# Altium PCB Power Distribution Board.PcbDoc (part 2 of 3) (continued)
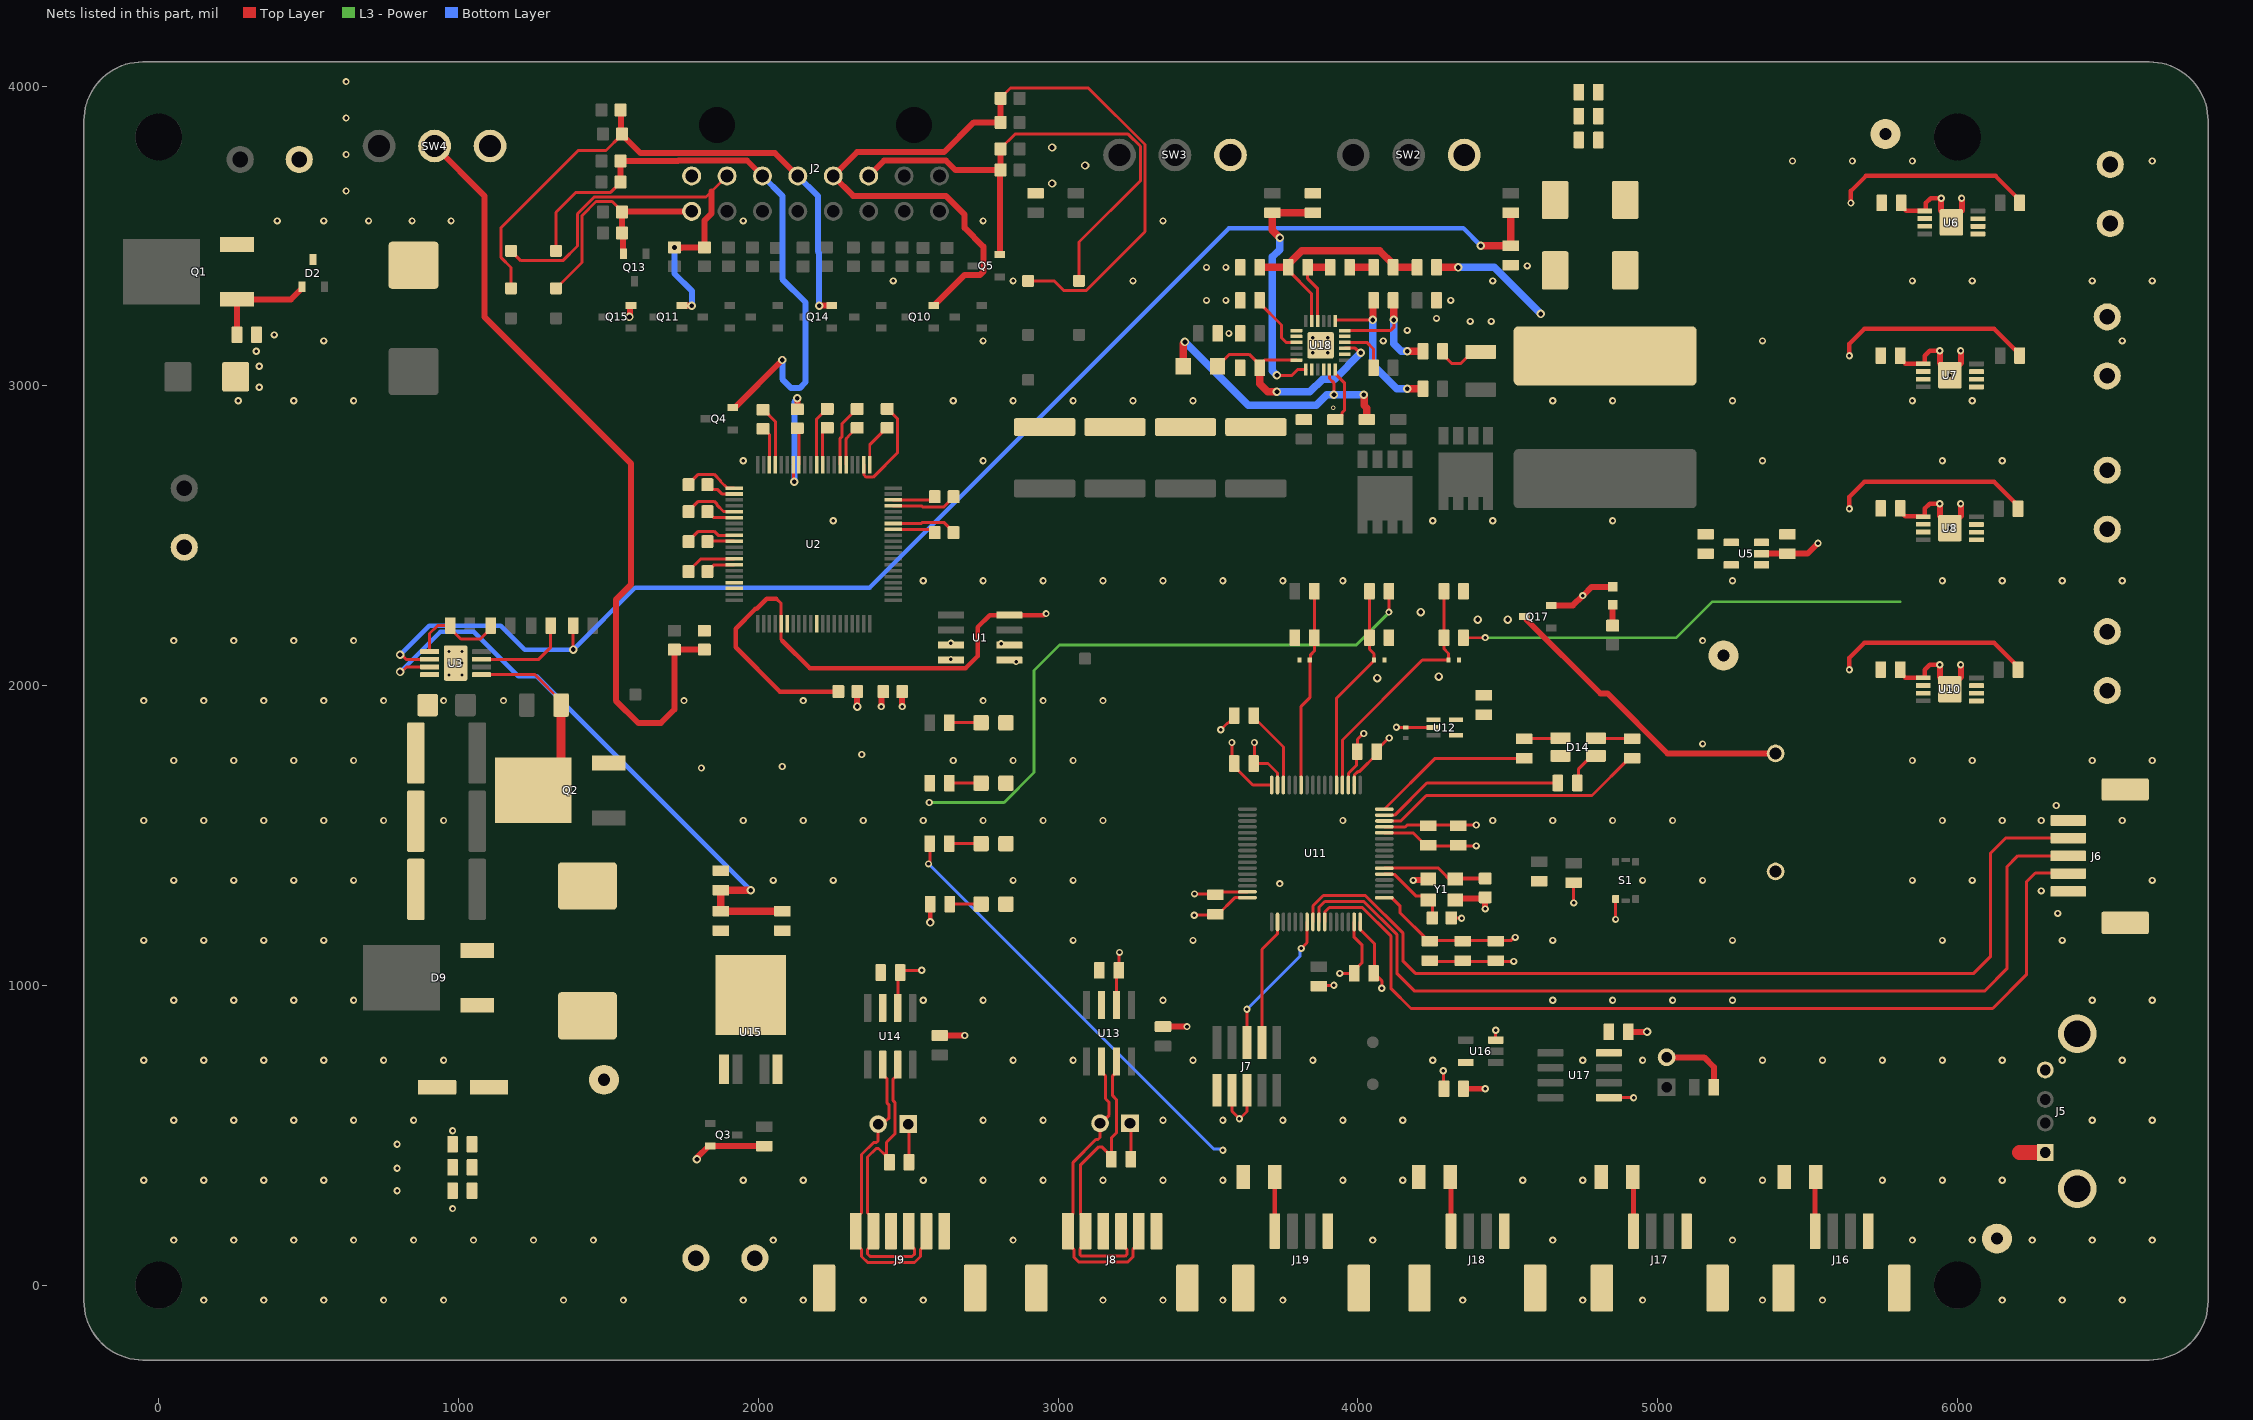
[diagram p4: the nets of this part, all layers, seen from the top]
## Nets (pads, with @x,y where several pads share a name; then routed paths per layer and width w, separated by ;. In a path a pad name is that pad's centre, name@x,y a point inside that pad or via, vN(x,y) a via of type N, cw(c..) or ccw(c..) an arc to the next point about the centre after c; other vN are vias at no path point) (continued)
  other v1: 3550,350 3950,350 4150,350 4550,350 4750,350 5150,350 5350,350 5750,350 5950,350 6150,350 4750,750 4950,750 5350,750 5550,750 5750,750 5950,750 6150,750 5950,1150 5850,1350 6050,1350 5950,1550 6150,1550 5850,1750 6050,1750 5950,2350 6150,2350 5950,2750 6150,2750 5850,2950 6050,2950 5850,3350 6050,3350 5450,3750 5650,3750 5850,3750
5V_FB: C70.1 R96.1 R104.1 R105.2 U18.8 | length 793.9
  Top Layer w10: C70.1@3767.52,3395 3767.52,3385.16 3846.18,3306.5 U18.8@3846.18,3215.87
  Top Layer w25: R105.2@3672.48,3395 C70.1@3767.52,3395 3767.52,3404.84 3812.68,3450 4072.32,3450 4117.48,3404.84 R96.1@4117.48,3395 R104.1@4197.52,3395
5V_LOAD1: J10.1 U6.5 U6.6 U6.7
5V_LOAD2: J11.1 U7.5 U7.6 U7.7
5V_LOAD3: J12.1 U8.5 U8.6 U8.7
5V_LOAD4: J14.1 U10.5 U10.6 U10.7
5V_RT: R97.2 U18.4 | length 211.3
  Top Layer w10: R97.2@3672.48,3285 3672.48,3275.16 3745,3202.64 3745,3160 3760,3145 U18.4@3795,3145
5V_VCC: C75.2 D21.2 U18.1 U18.16 | length 826.9
  Top Layer w10: D21.2@3532.09,3065 3532.09,3066.97 3552.68,3087.56 3554.65,3087.56 3572.09,3105 3637.32,3105 C75.2@3672.48,3069.84 ; C75.2@3672.48,3060 C75.2@3672.48,3069.84 ; U18.1@3795,3085.94 3688.58,3085.94 C75.2@3672.48,3069.84 ; U18.16@3956.42,3125.32 3991.1,3125.32 4006.42,3110 v2(4010,3110)
  Top Layer w25: C75.2@3672.48,3060 3672.48,3007.52 3699.43,2980.57 3729.43,2980.57 v2(3730,2980)
  Bottom Layer w25: v2(3730,2980) 3840,2980 3882.5,3022.5 3922.5,3022.5 v2(4010,3110)
17V: 17V.1 C28.1 C34.2 C36.2 C37.2 C38.2 L2.2 R16.2 R17.2 R84.2 U15.3 | length 2066.3
  Top Layer w10: v1(4103.72,2245) R84.2@4103.72,2315
  L3 - Power w10: v1(2570,1610) 2820,1610 2920,1710 2920,2050 3005,2135 3995,2135 v1@4104.36,2244.36
17V_FB: C34.1 R17.1 R19.2 U3.3 | length 2063.3
  Top Layer w10: v2(805,2045.53) 809.87,2045.53 826.55,2062.2 U3.3@903.39,2062.2
  Top Layer w25: v2(1975,1317.52) R19.2@1875,1317.52 R17.1@1875,1247.48 C34.1@2080,1247.48
  Bottom Layer w15: v2(805,2045.53) 939.47,2180 1050.18,2180 1198.68,2031.5 1261.02,2031.5 v2(1975,1317.52)
17V_LOAD: J13.1 U15.1 U15.5
17V_VCC: C33.1 U3.7 | length 319.8
  Top Layer w10: U3.7@1076.61,2087.8 1267.8,2087.8 1307.48,2127.48 C33.1@1307.48,2200
ADJ: C27.1 R15.1 U3.1 | length 324
  Top Layer w10: U3.1@903.39,2113.39 903.39,2173.39 930,2200 R15.1@972.52,2200 972.52,2190.16 1007.68,2155 1072.36,2155 1107.52,2190.16 C27.1@1107.52,2200
CANA_N: H1.2 J8.1 J8.5 U13.6 | length 1039.4
  Top Layer w10: U13.6@3145,745.51 3145,711.06 3158,698.06 3158,621.76 3170.47,609.28 3170.47,566.8 3143.67,540 H1.2@3140,540 3140,492.48 3132.97,485.45 3126.03,485.45 3050.36,409.79 3050.36,238.87 3032.83,221.34 3032.83,138.66 3052.36,119.13 3052.36,93.88 3069.94,76.31 3231.95,76.31 3249.53,93.88 3249.53,119.13 3269.06,138.66 J8.5@3269.06,180
CANA_P: J8.2 J8.4 R72.2 U13.7 | length 1045.8
  Top Layer w10: R72.2@3177.52,420 R72.2@3177.52,429.84 ; U13.7@3195,745.51 3195,711.06 3182,698.06 3182,631.7 3194.47,619.22 3194.47,507.69 3177.52,490.73 R72.2@3177.52,429.84 ; J8.4@3210,180 3210,138.66 3229.53,119.13 3229.53,102.16 3223.67,96.31 3078.22,96.31 3072.36,102.16 3072.36,119.13 3091.89,138.66 3091.89,221.34 3074.36,238.87 3074.36,399.85 3135.97,461.45 3145.91,461.45 R72.2@3177.52,429.84
CANB_N: H2.2 J9.1 J9.5 U14.6 | length 1024.7
  Top Layer w10: U14.6@2415,735.51 2415,701.06 2422.3,693.76 2424.14,693.76 2430,687.9 2430,606.9 2435.23,601.67 2435.23,556.3 2429.37,550.45 2426.39,550.45 2413.03,537.09 H2.2@2399.76,537.09 2399.76,481.9 2393.9,476.05 2384.75,476.05 2344.25,435.55 2344.25,240.87 2324.72,221.34 J9.1@2324.72,180 2324.72,138.66 2344.25,119.13 2344.25,95.69 2364.94,75 2520.73,75 2541.42,95.69 2541.42,119.13 2560.94,138.66 J9.5@2560.94,180
CANB_P: J9.2 J9.4 R74.2 U14.7 | length 1024.8
  Top Layer w10: R74.2@2437.52,410 2427.46,420.06 R74.2@2427.46,429.9 ; U14.7@2465,735.51 2465,701.06 2457.7,693.76 2455.86,693.76 2450,687.9 2450,615.18 2455.23,609.95 2455.23,504.17 2427.46,476.41 R74.2@2427.46,429.9 ; J9.4@2501.89,180 2501.89,138.66 2521.42,119.13 2521.42,103.98 2512.44,95 2373.23,95 2364.25,103.98 2364.25,119.13 2383.78,138.66 J9.2@2383.78,180 2383.78,221.34 2364.25,240.87 2364.25,427.27 2393.03,456.05 2401.32,456.05 R74.2@2427.46,429.9
COMP: C70.2 C71.2 U18.9 | length 268
  Top Layer w10: C70.2@3832.48,3395 3832.48,3357.52 3865.87,3324.13 U18.9@3865.87,3215.87
  Top Layer w25: C70.2@3832.48,3395 C71.2@3907.52,3395
CS: C74.2 R100.1 U18.12 | length 545.4
  Top Layer w10: U18.12@3924.92,3215.87 3924.92,3219.09 3925.83,3220 v2(4050,3220)
  Top Layer w25: v2(4050,3220) 4050.57,3220.57 4050.57,3283.05 C74.2@4052.52,3285 ; v2(4165,2990) R100.1@4217.52,2990
  Bottom Layer w25: v2(4050,3220) 4050,3070 4130,2990 v2(4165,2990)
CSG: C74.1 R101.1 U18.13 | length 446.9
  Top Layer w10: U18.13@3956.42,3184.37 4109.37,3184.37 4120,3195 v2(4120,3220)
  Top Layer w25: C74.1@4117.48,3285 4119.43,3283.05 4119.43,3220.57 v2(4120,3220) ; v2(4165,3115) R101.1@4217.52,3115
  Bottom Layer w25: v2(4120,3220) 4120,3140 4144.43,3115.57 4164.43,3115.57 v2(4165,3115)
EN_5V: C44.2 R23.2 U18.24 | length 809.6
  Top Layer w10: v2(3730,3035) 3780,3035 3800,3055 3825.94,3055 U18.24@3826.5,3054.45
  Top Layer w25: v2(3740.12,3493.75) 3740.12,3494.57 3715,3519.69 R23.2@3715,3577.52 C44.2@3850,3577.52
  Bottom Layer w25: v2(3730,3035) 3730,3035.81 3715,3050.81 3715,3429.75 3739.55,3454.31 3739.55,3493.18 v2(3740.12,3493.75)
EN_17V: C35.2 R18.1 R21.2 U3.2 | length 4679
  Top Layer w10: v2(805,2102.8) 809.87,2102.8 824.87,2087.8 U3.2@903.39,2087.8 ; v2(1382.52,2120) R18.1@1382.52,2200
  Top Layer w25: v2(4410,3467.48) C35.2@4510,3467.48 R21.2@4510,3577.52
  Bottom Layer w15: v2(805,2102.8) 902.2,2200 1140.33,2200 1220.33,2120 v2(1382.52,2120) 1589.52,2327 2371.75,2327 3570,3525.25 4352.23,3525.25 v2(4410,3467.48)
GND: C1.1 C1.2 C7.2 C12.1 C28.2 C29.1 C30.1 C31.1 C32.1 C35.1 C36.1 C37.1 C38.1 C39.1 C40.1 C41.1 C42.1 C44.1 C45.1 C46.1 C47.1 C48.1 C49.1 C50.1 C51.1 C52.1 C53.1 C54.1 C55.1 C56.1 C57.1 C58.1 C59.1 C60.1 C61.1 C62.1 C63.1 C64.1 C65.1 C66.1 C67.1 C68.1 C69.1 C72.1 C73.1 C75.1 C77.1 C78.2 C79.2 C80.1 C81.1 C82.1 D1.1 D3.2 D9.1 D10.2 D11.2 D13.2 D15.2 D16.2 D17.2 D19.2 D20.2 GND.1 J1.1 J2.1 J5.4 J5.S1 J5.S2 J6.0 J6.1 J6.5 J7.3 J7.5 J8.0 J8.3 J8.6 J9.0 J9.3 J9.6 J10.2 J11.2 J12.2 J13.2 J14.2 J15.2 J16.0 J16.4 J17.0 J17.4 J18.0 J18.4 J19.0 J19.4 Q3.2 Q15.2 Q17.2 R1.1 R19.1 R70.2 R73.2 R75.2 R77.1 R88.1 R89.1 R91.1 R95.1 R97.1 R101.2 R102.1 R105.1 S1.1 SW2.1 SW3.1 SW4.1 U1.3 U1.4 U1.5 U1.6 U2.6 U2.11 U2.77 U2.78 U3.4 U3.9 U5.2 U6.1 U6.9 U7.1 U7.9 U8.1 U8.9 U10.1 U10.9 U11.12 U11.18 U11.31 U11.47 U11.63 U12.2 U13.2 U14.2 U16.3 U17.5 U18.5 U18.6 U18.14 U18.17 U18.21 U18.23 U18.25 Y1.2 Y1.4 | length 5553.3
  Top Layer w10: U14.2@2465,924.49 2465.78,925.26 2465.78,1035.54 2480.24,1050 v1(2545,1050) ; R75.2@2605,832.48 R75.2@2606.24,831.24 ; U13.2@3195,934.49 3195,1039.76 3205.24,1050 3204.06,1051.18 3204.06,1109.06 v1(3205,1110) ; v1(3455,1305) 3524.76,1305 3531.81,1312.05 U11.47@3631.65,1312.05 ; v1(3542.67,1852.68) 3563.5,1873.5 3565.16,1873.5 3584.76,1893.11 C59.1@3584.76,1900 ; J7.3@3580,650 3580,580 v1(3605,555) ; v1@3610,558.06 3610,558.82 3630,578.82 J7.5@3630,650 ; v1(3655,1810) 3655,1740.24 3655.24,1740 3700,1740 3731.83,1708.17 3731.83,1668.57 U11.31@3732.05,1668.35 ; R70.2@3870,997.52 3872.48,1000 v1(3920,1000) ; v1(3939.97,1039.93) 3984.69,1039.93 3984.76,1040 3984.76,1046.89 4014.37,1076.5 4014.37,1133.81 3987.95,1160.23 U11.63@3987.95,1211.65 ; U11.18@3987.95,1668.35 3988.3,1668.69 3988.3,1701.33 3999.81,1712.84 4004.97,1712.84 4065.24,1773.11 4065.24,1786.89 4103.35,1825 v1(4105,1825) ; U11.12@4088.35,1508.9 4183.98,1508.9 4228.11,1464.76 4335,1464.76 4340.24,1470 4345.24,1465 v1(4395,1465) ; v1(4128.58,1860.72) 4128.95,1860.36 4159.81,1860.36 D15.2@4160.17,1860 U12.2@4252.2,1860 ; C53.1@4240,1079.76 4460,1079.76 4460.24,1080 v1(4520,1080) ; R101.2@4282.48,3115 4282.48,3105.16 4312.64,3075 4344.45,3075 4382.44,3112.99 R102.1@4410,3112.99 ; C57.1@4311.5,1225 4312.5,1224 v1(4346,1224) ; v1(4460,850) 4460,817.76 U16.3@4460.35,817.4 ; v1(4720,1275) C58.1@4720,1339.76 ; U17.5@4837.44,625 v1(4920,625) ; v1(4860,1220) S1.1@4860,1282.99 ; U10.1@5888.14,2026.68 5888.84,2026.68 U10.1@5891.72,2029.55 ; U8.1@5888.14,2564.18 5888.84,2564.18 U8.1@5891.72,2567.05 ; U7.1@5888.14,3074.18 5888.84,3074.18 U7.1@5891.72,3077.05 ; U6.1@5891.42,3583.39 5892.13,3583.39 U6.1@5895,3586.26
  Top Layer w15: C41.1@5809.2,2053.29 5809.2,2043.45 5825.97,2026.68 U10.1@5888.14,2026.68 ; C40.1@5809.2,2590.79 5809.2,2580.95 5825.97,2564.18 U8.1@5888.14,2564.18 ; C42.1@5809.2,3100.79 5809.2,3090.95 5825.97,3074.18 U7.1@5888.14,3074.18 ; C39.1@5812.48,3610 5812.48,3600.16 5829.25,3583.39 U6.1@5891.42,3583.39 ; U10.1@5891.72,2029.55 5891.72,2053.29 5907.72,2069.29 v1@5942.72,2069.29 ; U8.1@5891.72,2567.05 5891.72,2590.79 5907.72,2606.79 v1@5942.72,2606.79 ; U7.1@5891.72,3077.05 5891.72,3100.79 5907.72,3116.79 v1@5942.72,3116.79 ; U6.1@5895,3586.26 5895,3610 5911,3626 v1(5946,3626)
  Top Layer w20: v2(1570,3230) 1571.53,3231.53 1571.53,3265.59 1573.34,3267.4 Q15.2@1575.28,3267.4 ; v2(1795,420) 1796.53,421.53 1796.53,426.61 1833.66,463.74 R77.1@2019.88,463.74 ; v2(2330,1930) C7.2@2330,1980 ; v1(2410,1930) 2410.77,1930.77 2410.77,1973.76 C1.1@2417.01,1980 ; v1(2480,1930) C1.2@2480,1980 ; R75.2@2605,832.48 v1(2688.76,832.48) ; R73.2@3350,862.48 v1(3430,862.48) ; v1(4185,1350) 4185.77,1350.77 4230.06,1350.77 Y1.2@4234.72,1355.43 ; Y1.4@4325.28,1284.57 4329.74,1289.04 4420.53,1289.04 C56.1@4425,1293.5 v1(4425,1255) ; C63.1@4355.24,655 v1(4425,655) ; Q17.2@4645.28,2267.4 4717.4,2267.4 v1(4750,2300) 4751.08,2300 4780.14,2329.06 D3.2@4850,2329.06 ; C64.1@4902.48,845 v2(4965,845) ; U5.2@5346.65,2440 5500,2440 v1(5535,2475) ; v1@5942.72,2069.29 5941.95,2068.53 5941.95,2033.53 5941.72,2033.29 5941.72,2028.22 5975,1994.93 U10.9@5975,1991.5 ; v1@5942.72,2606.79 5941.95,2606.03 5941.95,2571.03 5941.72,2570.79 5941.72,2565.72 5975,2532.43 U8.9@5975,2529 ; v1@5942.72,3116.79 5941.95,3116.03 5941.95,3081.03 5941.72,3080.79 5941.72,3075.72 5975,3042.43 U7.9@5975,3039 ; v1(5946,3626) 5945.23,3625.23 5945.23,3590.23 5945,3590 5945,3584.92 5978.28,3551.64 U6.9@5978.28,3548.2 ; U10.9@5975,1987.5 U10.9@5975,1991.5 ; U8.9@5975,2525 U8.9@5975,2529 ; U7.9@5975,3035 U7.9@5975,3039 ; v1(5978.28,3544.21) U6.9@5978.28,3548.2 ; v1(6010.82,2069.16) 6011.58,2068.39 6011.58,2043.43 6011.72,2043.29 6011.72,2028.22 U10.9@5975,1991.5 ; v1(6010.82,2606.66) 6011.58,2605.89 6011.58,2580.93 6011.72,2580.79 6011.72,2565.72 U8.9@5975,2529 ; v1(6010.82,3116.66) 6011.58,3115.89 6011.58,3090.93 6011.72,3090.79 6011.72,3075.72 U7.9@5975,3039 ; v1(6014.1,3625.86) 6014.86,3625.1 6014.86,3600.14 6015,3600 6015,3584.92 U6.9@5978.28,3548.2
  other v1: 150,-50 350,-50 550,-50 750,-50 950,-50 1350,-50 1550,-50 1950,-50 2150,-50 2350,-50 2550,-50 3150,-50 3350,-50 3550,-50 3750,-50 4350,-50 4750,-50 4950,-50 5350,-50 5550,-50 6150,-50 6350,-50 6550,-50 50,150 250,150 450,150 650,150 850,150 1050,150 1250,150 1450,150 2050,150 2850,150 4050,150 4650,150 5250,150 5850,150 6050,150 6250,150 6450,150 6650,150 980.04,255 795,315 -50,350 150,350 350,350 550,350 1950,350 2150,350 2550,350 2750,350 2950,350 3150,350 3350,350 6550,350 795,390 795,470 980,515 50,550 250,550 450,550 650,550 850,550 6450,550 6650,550 -50,750 150,750 350,750 550,750 750,750 950,750 6350,750 6550,750 50,950 250,950 450,950 650,950 4650,950 4850,950 5050,950 5250,950 6450,950 6650,950 -50,1150 150,1150 350,1150 550,1150 6350,1150 6335,1240 6280,1315 50,1350 250,1350 450,1350 650,1350 2050,1350 2250,1350 2850,1350 3050,1350 6650,1350 -50,1550 150,1550 350,1550 550,1550 750,1550 950,1550 1950,1550 2150,1550 2350,1550 2550,1550 2750,1550 2950,1550 3150,1550 3950,1550 6280,1550 6550,1550 6330,1600 1810,1725 2080,1730 50,1750 250,1750 450,1750 650,1750 2650,1750 2850,1750 3050,1750 6450,1750 6650,1750 2345,1770 -50,1950 150,1950 350,1950 550,1950 750,1950 950,1950 1150,1950 1752,1950 2150,1950 2750,1950 2950,1950 3150,1950 5974.23,1988.27 5941.19,2069.29 2860,2080 2642.56,2087.19 2810,2140 2642.56,2141.19 50,2150 250,2150 450,2150 650,2150 2550,2350 2750,2350 2950,2350 3150,2350 3350,2350 3550,2350 3750,2350 3950,2350 6350,2350 6550,2350 5974.23,2525.77 2250,2550 4250,2550 4450,2550 4850,2550 5941.19,2606.79 1950,2750 2750,2750 5350,2750 265,2950 450,2950 650,2950 2650,2950 2850,2950 3050,2950 3250,2950 3450,2950 4650,2950 4850,2950 5250,2950 335,2995 5974.23,3035.77 335,3065 3850,3110 3900,3110 325,3115 5941.19,3116.79 550,3150 2750,3150 4085,3150 5350,3150 6550,3150 3850,3160 3900,3160 385,3170 3570,3175 4165,3185 4375,3215 4445,3215 4262.48,3225 3495,3285 3560,3285 4310,3285 2450,3350 2850,3350 3250,3350 4450,3350 6450,3350 6650,3350 3495,3395 3560,3395 4565,3400 395,3550 550,3550 700,3550 845,3550 975,3550 1950,3550 2750,3550 3350,3550 625,3650 6650,3750 625,3771.67 625,3893.33 625,4015
  other v2: 4065,2025 4270,2030 4400,2220 4500,2220 4210,2245 2980,3675 3090,3735 2980,3795
  other v3: 968.35,2035.63 1011.65,2035.63 968.35,2075 1011.65,2075 968.35,2114.37 1011.65,2114.37
  other v4: 3918,2927
HB: C76.2 D21.1 U18.20 | length 960.8
  Top Layer w10: U18.20@3905.24,3054.45 3905.24,3024.76 3920,3010 v2(3920,2970)
  Top Layer w25: D21.1@3417.91,3065 3417.91,3140.65 3422.95,3145.69 v2(3422.95,3146.5) ; v2(4020,2970) 4020.57,2969.43 4020.57,2934.43 4030,2925 C76.2@4030,2887.48
  Bottom Layer w25: v2(3422.95,3146.5) 3634.46,2935 3861,2935 3896,2970 v2(3920,2970) ; v2@3919.19,2970 v2(4020,2970)
HO: R98.1 U18.19 | length 197.6
  Top Layer w10: U18.19@3924.92,3054.45 3924.92,3040.67 3955,3010.59 3955,2917.48 3947.47,2909.95 3947.47,2900.2 3934.75,2887.48 R98.1@3925,2887.48
ISEN: Q2.1 R14.1 U3.5 | length 639.2
  Top Layer w10: U3.5@1076.61,2036.61 1254.25,2036.61 1342.09,1948.78 R14.1@1342.09,1935
  Top Layer w30: Q2.1@1249.02,1650 1342.09,1743.07 R14.1@1342.09,1935
JTDI: J7.8 U11.50 | length 423.2
  Top Layer w10: J7.8@3680,810 3680,1120 3732.05,1172.05 U11.50@3732.05,1211.65
JTDO/TRACESWO: J7.6 U11.55 | length 484.7
  Top Layer w10: J7.6@3630,810 v1(3630,920) ; v1(3811.07,1123.07) 3830.47,1142.47 U11.55@3830.47,1211.65
  Bottom Layer w10: v1(3630,920) 3806.7,1096.7 3806.7,1118.7 v1(3811.07,1123.07)
LED_B_n: R67.2 U11.15 | length 593.8
  Top Layer w10: U11.15@4118.1,1567.73 4122.73,1567.73 4230,1675 R67.2@4667.52,1675
LED_G_n: R69.2 U11.14 | length 884.8
  Top Layer w10: U11.14@4116.89,1548.27 4143.27,1548.27 4228.44,1633.44 4781.08,1633.44 4905.16,1757.52 R69.2@4915,1757.52
LED_MATRIX_B_PWM: J6.2 U11.58 | length 3131.7
  Top Layer w10: U11.58@3889.53,1211.65 3889.87,1212 3889.87,1244.87 3905,1260 4015,1260 4110,1165 4110,990 4177.17,922.83 6117.83,922.83 6230,1035 6230,1345 6260,1375 6367.83,1375 J6.2@6370,1372.83
LED_MATRIX_G_PWM: J6.3 U11.57 | length 3141.9
  Top Layer w10: U11.57@3869.84,1211.65 3869.84,1259.84 3890,1280 4020,1280 4130,1170 4130,1040 4188.11,981.89 6091.89,981.89 6165,1055 6165,1395 6201.89,1431.89 J6.3@6370,1431.89
LED_MATRIX_R_PWM: J6.4 U11.56 | length 3139.1
  Top Layer w10: U11.56@3850.16,1211.65 3850.16,1265.16 3885,1300 4025,1300 4150,1175 4150,1081.63 4191.63,1040 6055,1040 6110,1095 6110,1440 6160.94,1490.94 J6.4@6370,1490.94
LED_R_n: R68.1 U11.16 | length 536.7
  Top Layer w10: U11.16@4088.57,1587.86 4258.23,1757.52 R68.1@4555,1757.52
LO: R99.1 U18.15 | length 167.9
  Top Layer w10: U18.15@3956.42,3145 4030,3145 4052.52,3122.48 R99.1@4052.52,3060
NetBZ1_2: BZ1.2 Q17.3 | length 1032.5
  Top Layer w20: Q17.3@4554.72,2230 4560.63,2230 4562.44,2228.19 4562.44,2220.45 4809.44,1973.45 4833.21,1973.45 5033.09,1773.57 BZ1.2@5393.63,1773.57
NetC2_1: C2.1 U2.74 | length 100.1
  Top Layer w10: C2.1@1830,2380 1830,2381.97 1844.69,2396.65 1846.65,2396.65 1852.83,2402.83 U2.74@1919.45,2402.83
NetC2_2: C2.2 U2.73 | length 171.2
  Top Layer w10: C2.2@1767.01,2380 1767.01,2381.97 1807.56,2422.52 U2.73@1919.45,2422.52
NetC3_1: C3.1 U2.70 | length 90.1
  Top Layer w10: C3.1@1830,2480 1831.57,2481.57 U2.70@1919.45,2481.57
NetC3_2: C3.2 U2.69 | length 173.5
  Top Layer w10: C3.2@1767.01,2480 1767.01,2481.97 1799.69,2514.65 1852.76,2514.65 1866.16,2501.26 U2.69@1919.45,2501.26
NetC4_1: C4.1 U2.66 | length 98.8
  Top Layer w10: C4.1@1830,2580 1830,2578.03 1844.69,2563.35 1846.65,2563.35 1849.68,2560.32 U2.66@1919.45,2560.32
NetC4_2: C4.2 U2.65 | length 184.1
  Top Layer w10: C4.2@1767.01,2580 1767.01,2581.97 1799.69,2614.65 1852.76,2614.65 1862.69,2604.73 1862.69,2601.59 1883.5,2580.78 1918.67,2580.78 U2.65@1919.45,2580
NetC5_1: C5.1 U2.62 | length 103.4
  Top Layer w10: C5.1@1830,2670 1830,2668.03 1844.69,2653.35 1864.69,2653.35 1878.2,2639.83 1918.67,2639.83 U2.62@1919.45,2639.06
NetC5_2: C5.2 U2.61 | length 188.3
  Top Layer w10: C5.2@1767.01,2670 1767.01,2671.97 1799.69,2704.65 1852.76,2704.65 1874.09,2683.33 1874.09,2680.97 1896.32,2658.74 U2.61@1919.45,2658.74
NetC6_1: C6.1 U2.58 | length 129.9
  Top Layer w10: C6.1@2015.75,2856.9 2017.72,2856.9 2037.09,2837.53 U2.58@2037.09,2737.01
NetC6_2: C6.2 U2.57 | length 201
  Top Layer w10: C6.2@2015.75,2919.89 2017.72,2919.89 2056.77,2880.83 U2.57@2056.77,2737.01
NetC8_1: C8.1 U2.54 | length 378.4
  Top Layer w10: U2.54@2115.83,2737.01 2116.61,2736.23 2116.61,2683.39 v2(2120,2680)
  Top Layer w20: C8.1@2130,2921.5 v2(2130,2958.49)
  Bottom Layer w20: v2(2120,2680) 2120,2946.33 2130,2956.33 v2(2130,2958.49)
NetC8_2: C8.2 U2.53 | length 123.8
  Top Layer w10: C8.2@2130,2858.5 2135.51,2852.99 U2.53@2135.51,2737.01
NetC9_1: C9.1 U2.50 | length 201.8
  Top Layer w10: U2.50@2194.57,2737.01 2194.57,2823.23 2194.65,2823.31 2194.65,2889.61 2228.03,2922.99 C9.1@2230,2922.99
NetC9_2: C9.2 U2.49 | length 125.4
  Top Layer w10: U2.49@2214.25,2737.01 2214.25,2854.25 C9.2@2220,2860
NetC10_1: C10.1 U2.46 | length 210.6
  Top Layer w10: U2.46@2273.31,2737.01 2273.31,2824.68 2279.65,2831.02 2279.65,2874.61 2328.03,2922.99 C10.1@2330,2922.99
NetC10_2: C10.2 U2.45 | length 139.5
  Top Layer w10: U2.45@2292.99,2737.01 2292.99,2823.15 2299.2,2829.36 2299.2,2831.17 2328.03,2860 C10.2@2330,2860
NetC11_1: C11.1 U2.42 | length 345.4
  Top Layer w10: U2.42@2352.05,2737.01 2352.83,2736.23 2352.83,2702.59 2360.44,2694.97 2383.02,2694.97 2464.65,2776.6 2464.65,2890.31 2431.97,2922.99 C11.1@2430,2922.99
NetC11_2: C11.2 U2.41 | length 148.3
  Top Layer w10: U2.41@2371.73,2737.01 2371.73,2803.7 2428.03,2860 C11.2@2430,2860
NetC12_2: C12.2 R39.1 SW4.2 | length 2666.7
  Top Layer w20: SW4.2@919.96,3800 1087.31,3632.65 1087.31,3228.95 1575,2741.27 1575,2336.75 1525,2286.75 1525,1950 1600,1875 1675,1875 1720,1920 R39.1@1720,2120 ; R39.1@1740,2120 C12.2@1820,2120
NetC13_1: C13.1 U2.34 | length 218.7
  Top Layer w10: U2.34@2450,2540.63 2544.41,2540.63 2548.43,2544.65 2618.81,2544.65 2651.5,2511.97 C13.1@2651.5,2510
NetC13_2: C13.2 U2.33 | length 143
  Top Layer w10: U2.33@2450,2520.95 2577.56,2520.95 C13.2@2588.5,2510
NetC14_1: C14.1 U2.38 | length 142.9
  Top Layer w10: U2.38@2450,2619.37 2577.87,2619.37 C14.1@2588.5,2630
NetC14_2: C14.2 U2.37 | length 218.8
  Top Layer w10: U2.37@2450,2599.69 2543.86,2599.69 2548.2,2595.35 2618.81,2595.35 2651.5,2628.03 C14.2@2651.5,2630
NetC56_2: C56.2 U11.6 Y1.1 | length 346.3
  Top Layer w10: U11.6@4088.35,1390.79 4268.7,1390.79 4294.86,1364.63 4294.86,1364.28 4308.54,1350.59 4313.46,1350.59 Y1.1@4316.42,1353.54
  Top Layer w12: Y1.1@4325.28,1355.43 4326.34,1356.5 C56.2@4425,1356.5
NetC57_2: C57.2 U11.5 Y1.3 | length 263.1
  Top Layer w10: U11.5@4088.35,1371.1 4088.69,1370.76 4115.56,1370.76 4116,1370.32 4121.77,1370.32 4132.84,1359.25 4194.65,1297.44 4248.5,1297.44 C57.2@4248.5,1225
NetC59_2: C59.2 U11.30 | length 264.7
  Top Layer w10: C59.2@3655.24,1893.11 3655.24,1891.67 3751.73,1795.17 U11.30@3751.73,1668.35
NetC71_1: C71.1 R96.2 | length 80
  Top Layer w25: C71.1@3972.48,3395 R96.2@4052.52,3395
NetD2_1: D2.1 Q1.2 R1.2 | length 356.2
  Top Layer w20: R1.2@260.98,3170 Q1.2@260.98,3288.46 440.98,3288.46 477.6,3325.08 D2.1@477.6,3330.98
NetD2_3: D2.3 F1.1 Q1.3
NetD3_1: D3.1 R38.1 | length 70
  Top Layer w20: R38.1@4850,2200 D3.1@4850,2270
NetD9_2: D9.2 L2.1 Q2.3
NetD10_1: D10.1 R16.1 | length 106.2
  Top Layer w10: R16.1@2637.03,1674.33 D10.1@2743.21,1674.33
NetD11_1: D11.1 R22.1 | length 106.2
  Top Layer w10: R22.1@2637.03,1472.67 D11.1@2743.21,1472.67
NetD13_1: D13.1 R26.1 | length 104.7
  Top Layer w10: R26.1@2638.52,1271 D13.1@2743.21,1271
NetD14_1: D14.1 R68.2 | length 121.8
  Top Layer w10: R68.2@4555,1822.48 4556.02,1823.5 4674.92,1823.5 D14.1@4675.94,1824.53
NetD14_2: D14.2 R69.1 | length 121.8
  Top Layer w10: D14.2@4794.06,1824.53 4795.08,1823.5 4913.98,1823.5 R69.1@4915,1822.48
NetD14_3: D14.3 R67.1 | length 124
  Top Layer w10: R67.1@4732.48,1675 4735.36,1677.88 4735.36,1720.56 4780.28,1765.47 D14.3@4794.06,1765.47
NetD16_1: D16.1 R85.1 R88.2 U11.20 | length 851.1
  Top Layer w10: U11.20@3948.58,1668.35 3948.58,1818.58 4215,2085 D16.1@4302.78,2085 4302.78,2107.22 4287.52,2122.48 R85.1@4287.52,2160 R88.2@4287.52,2315
NetD17_1: D17.1 R84.1 R89.2 U11.21 | length 704.8
  Top Layer w10: U11.21@3928.9,1668.35 3928.9,1957.91 4054.02,2083.03 D17.1@4054.02,2085 4054.02,2105.98 4038.76,2121.24 R89.2@4038.76,2160 R84.1@4038.76,2315
NetD19_1: D19.1 R87.1 R91.2 U11.27 | length 636.4
  Top Layer w10: U11.27@3810.79,1696.89 3810.79,1930.79 3839.7,1959.7 D19.1@3839.7,2085 3841.59,2086.89 3841.59,2101.59 3854.96,2114.96 R91.2@3854.96,2160 R87.1@3854.96,2315
NetD20_1: D20.1 R93.1 | length 106.2
  Top Layer w10: R93.1@2637.03,1876 D20.1@2743.21,1876
NetF2_1: F2.1 J16.1 | length 181.2
  Top Layer w10: F2.1@5525.31,357.82 F2.1@5527.5,360
  Top Layer w16: J16.1@5525.31,179.75 F2.1@5525.31,357.82
NetF3_1: F3.1 J17.1 | length 181.1
  Top Layer w10: F3.1@4917.5,360 F3.1@4919.49,358.01
  Top Layer w16: J17.1@4919.49,179.75 F3.1@4919.49,358.01
NetF4_1: F4.1 J18.1 | length 181.4
  Top Layer w10: F4.1@4307.5,360 F4.1@4310.94,356.56
  Top Layer w16: J18.1@4310.94,180 F4.1@4310.94,356.56
NetF5_1: F5.1 J19.1 | length 184
  Top Layer w10: F5.1@3722.83,350.33 F5.1@3732.5,360
  Top Layer w16: J19.1@3722.83,180 F5.1@3722.83,350.33
NetH1_1: H1.1 R72.1 | length 121
  Top Layer w10: H1.1@3240,540 3242.48,537.52 R72.1@3242.48,420
NetH2_1: H2.1 R74.1 | length 128.2
  Top Layer w10: H2.1@2499.76,537.09 2502.48,534.37 R74.1@2502.48,410
NetH3_2: H3.2 R92.1 | length 238.5
  Top Layer w20: H3.2@5030,760 5155,760 5187.48,727.52 R92.1@5187.48,660
NetJ2_2: CL1.1 J2.2 Q11.2 R24.1 R27.1 | length 1450.4
  Top Layer w10: CL1.1@1175,3450 1207.69,3417.31 1347.76,3417.31 1396.71,3466.27 1396.71,3573.84 1452.53,3629.65 1825.32,3629.65 1844.07,3648.41 J2.2@1895.67,3700
  Top Layer w20: R27.1@1741.65,3459.92 1743.82,3459.92 1745.51,3461.61 R24.1@1820,3461.61 ; Q11.2@1745.28,3267.4 1745.48,3267.2 1777.8,3267.2 v2(1778,3267) ; R24.1@1819.64,3452.99 1819.64,3551.01 1844.07,3575.44 1844.07,3648.41
  Bottom Layer w20: v2(1720,3461.61) 1720,3374.64 1778,3316.64 v2(1778,3267)
NetJ2_3: CL2.1 J2.3 Q4.2 R7.1 R9.1 | length 2096.3
  Top Layer w10: CL2.1@1325,3450 1325,3578.79 1391.56,3645.35 1507.31,3645.35 1540,3678.03 R7.1@1540,3680
  Top Layer w20: R7.1@1540,3680 R9.1@1540,3750 1732.57,3750 1734.16,3751.59 1962.19,3751.59 J2.3@2013.78,3700 ; Q4.2@1915.28,2927.4 1921.18,2927.4 v2(2080,3086.22) v2@2080,3090
  Bottom Layer w20: J2.3@2013.78,3700 2080.3,3633.48 2080.3,3355.71 2157.51,3278.5 2157.51,3012.41 2137.59,2992.49 2109.43,2992.49 2080,3021.92 v2(2080,3086.22)
NetJ2_4: CL3.1 J2.4 Q14.2 R36.1 R37.1 | length 1984.1
  Top Layer w10: CL3.1@1175,3325 1175,3394.55 1142.31,3427.24 1142.31,3527.76 1399.2,3784.65 1491.7,3784.65 1542.54,3835.49 R36.1@1542.54,3842.54
  Top Layer w20: R37.1@1540,3920 1542.54,3917.46 1542.54,3842.54 R36.1@1545.08,3840 1545.08,3838.03 1606.51,3776.59 2055.3,3776.59 J2.4@2131.89,3700 ; v2(2203.15,3266.85) 2203.42,3267.13 2245,3267.13 Q14.2@2245.28,3267.4
  Bottom Layer w20: J2.4@2131.89,3700 2198.41,3633.48 2198.41,3447.78 2203.15,3443.04 v2(2203.15,3266.85)
NetJ2_5: CL4.1 J2.5 Q10.2 R20.1 R25.1 | length 2983
  Top Layer w10: R25.1@2808.27,3959.11 2808.27,3961.08 2840.95,3993.76 3100.88,3993.76 3289.59,3805.05 3289.59,3514.14 3092.76,3317.31 3020.07,3317.31 2987.38,3350 CL4.1@2900,3350
  Top Layer w20: Q10.2@2585.28,3267.4 2688.06,3370.19 2739.9,3370.19 2750.44,3380.73 2750.44,3464.3 2688.07,3526.67 2688.07,3571.11 2625.7,3633.48 2316.52,3633.48 J2.5@2250,3700 2330,3780 2620,3780 2718.83,3878.83 R20.1@2808.27,3878.83 R25.1@2808.27,3959.11
NetJ2_6: CL5.1 J2.6 Q5.2 R6.1 R8.1 | length 1867
  Top Layer w10: R8.1@2808.27,3790 2808.27,3791.97 2855.93,3839.63 3233.8,3839.63 3274.59,3798.84 3274.59,3684.06 3070,3479.47 CL5.1@3070,3350
  Top Layer w20: J2.6@2368.11,3700 2419.7,3751.59 2625.7,3751.59 2657.3,3720 R6.1@2808.27,3720 ; Q5.2@2805.28,3437.4 2806.77,3438.9 2806.77,3718.5 R6.1@2808.27,3720 ; R8.1@2808.27,3790 R6.1@2808.27,3720
NetJ2_9: CL6.1 J2.9 Q13.2 R32.1 R35.1 | length 822.2
  Top Layer w10: CL6.1@1325,3325 1411.71,3411.72 1411.71,3567.62 1458.74,3614.65 1512.39,3614.65 1545.08,3581.97 R32.1@1545.08,3580
  Top Layer w20: Q13.2@1550,3440 1548.19,3441.81 1548.19,3506.89 R35.1@1545.08,3510 R32.1@1545.08,3580 1546.02,3580.94 1776.61,3580.94 J2.9@1777.56,3581.89